# Altium PCB Slave.PcbDoc (part 8 of 12)
Units mm, origin at the board's own origin, x right, y up, seen from the top; angles counter-clockwise.
Board outline 380 x 63 mm, 4 copper layers (Top Copper, Signal Layer 1, Signal Layer 2, Bottom Copper), stack 1.586 mm thick; 265 components, 193 nets, 745 pads, 28205 vias.
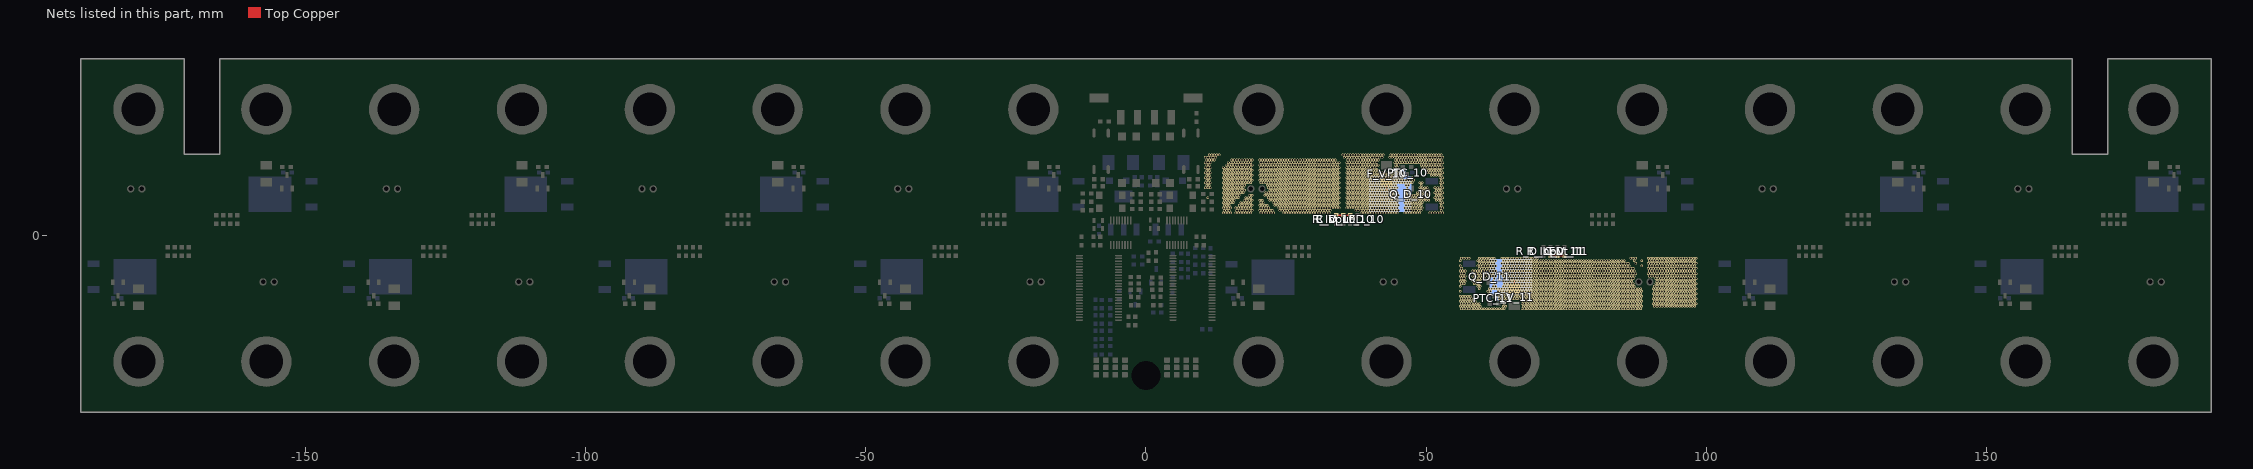
[diagram p10: the nets of this part, all layers, seen from the top]

## Via types
v1: diameter 0.45, hole 0.297, Top Copper to Bottom Copper, tented both sides, 27372 vias
v2: diameter 1, hole 0.7, Top Copper to Bottom Copper, 576 vias
v3: diameter 0.45, hole 0.2, Top Copper to Bottom Copper, 257 vias

## Nets (pads, with @x,y where several pads share a name; then routed paths per layer and width w, separated by ;. In a path a pad name is that pad's centre, name@x,y a point inside that pad or via, vN(x,y) a via of type N, cw(c..) or ccw(c..) an arc to the next point about the centre after c; other vN are vias at no path point) (continued)
F_10: C_V_10.2 F_V_10.2 PTC_10.2 Q_D_10.2 R_D_LED_10.2 R_Input_10.1 | length 3.9
  Top Copper w0.254: C_V_10.2@33.95,3.6 R_Input_10.1@35.2,3.6 R_D_LED_10.2@36.45,3.6
  Top Copper w0.305: v1@42.925,8.1 F_V_10.2@42.925,9.48
  other v1: 13.749,4 14.199,4 14.649,4 15.099,4 15.999,4 16.449,4 16.899,4 17.349,4 17.799,4 18.249,4 18.699,4 20.499,4 20.949,4 21.399,4 21.849,4 22.299,4 22.749,4 24.549,4 24.999,4 25.449,4 25.899,4 26.349,4 26.799,4 27.249,4 27.699,4 28.149,4 28.599,4 29.049,4 29.499,4 29.949,4 30.399,4 30.849,4 31.299,4 31.749,4 32.199,4 32.649,4 38.499,4 38.949,4 39.399,4 39.849,4 40.299,4 40.749,4 41.199,4 41.649,4 42.099,4 42.549,4 42.999,4 43.449,4 43.899,4 44.349,4 44.799,4 46.149,4 46.599,4 47.049,4 47.499,4 47.949,4 48.399,4 48.849,4 50.649,4 51.099,4 51.549,4 51.999,4 52.449,4 52.899,4 13.974,4.45 14.424,4.45 14.874,4.45 16.224,4.45 16.674,4.45 17.124,4.45 17.574,4.45 18.024,4.45 18.474,4.45 18.924,4.45 20.274,4.45 20.724,4.45 21.174,4.45 21.624,4.45 22.074,4.45 22.524,4.45 23.874,4.45 24.324,4.45 24.774,4.45 25.224,4.45 25.674,4.45 26.124,4.45 26.574,4.45 27.024,4.45 27.474,4.45 27.924,4.45 28.374,4.45 28.824,4.45 29.274,4.45 29.724,4.45 30.174,4.45 30.624,4.45 31.074,4.45 31.524,4.45 31.974,4.45 32.424,4.45 32.874,4.45 37.374,4.45 37.824,4.45 38.274,4.45 38.724,4.45 39.174,4.45 39.624,4.45 40.074,4.45 40.524,4.45 40.974,4.45 41.424,4.45 41.874,4.45 42.324,4.45 42.774,4.45 43.224,4.45 43.674,4.45 44.124,4.45 44.574,4.45 45.024,4.45 46.374,4.45 46.824,4.45 47.274,4.45 47.724,4.45 48.174,4.45 48.624,4.45 49.074,4.45 52.674,4.45 13.749,4.9 14.199,4.9 14.649,4.9 15.099,4.9 15.999,4.9 16.449,4.9 16.899,4.9 17.349,4.9 17.799,4.9 18.249,4.9 18.699,4.9 20.499,4.9 20.949,4.9 21.399,4.9 21.849,4.9 23.649,4.9 24.099,4.9 24.549,4.9 24.999,4.9 25.449,4.9 25.899,4.9 26.349,4.9 26.799,4.9 27.249,4.9 27.699,4.9 28.149,4.9 28.599,4.9 29.049,4.9 29.499,4.9 29.949,4.9 30.399,4.9 30.849,4.9 31.299,4.9 31.749,4.9 32.199,4.9 32.649,4.9 33.099,4.9 33.549,4.9 33.999,4.9 34.449,4.9 35.799,4.9 36.249,4.9 36.699,4.9 37.149,4.9 37.599,4.9 38.049,4.9 38.499,4.9 38.949,4.9 39.399,4.9 39.849,4.9 40.299,4.9 40.749,4.9 41.199,4.9 41.649,4.9 42.099,4.9 42.549,4.9 42.999,4.9 43.449,4.9 43.899,4.9 44.349,4.9 44.799,4.9 46.149,4.9 46.599,4.9 47.049,4.9 47.499,4.9 47.949,4.9 48.399,4.9 48.849,4.9 49.299,4.9 52.449,4.9 52.899,4.9 13.974,5.35 14.424,5.35 14.874,5.35 16.674,5.35 17.124,5.35 17.574,5.35 18.024,5.35 18.474,5.35 18.924,5.35 20.274,5.35 20.724,5.35 21.174,5.35 21.624,5.35 22.974,5.35 23.424,5.35 23.874,5.35 24.324,5.35 24.774,5.35 25.224,5.35 25.674,5.35 26.124,5.35 26.574,5.35 27.024,5.35 27.474,5.35 27.924,5.35 28.374,5.35 28.824,5.35 29.274,5.35 29.724,5.35 30.174,5.35 30.624,5.35 31.074,5.35 31.524,5.35 31.974,5.35 32.424,5.35 32.874,5.35 33.324,5.35 33.774,5.35 34.224,5.35 36.024,5.35 36.474,5.35 36.924,5.35 37.374,5.35 37.824,5.35 38.274,5.35 38.724,5.35 39.174,5.35 39.624,5.35 40.074,5.35 40.524,5.35 40.974,5.35 41.424,5.35 41.874,5.35 42.324,5.35 42.774,5.35 43.224,5.35 43.674,5.35 44.124,5.35 44.574,5.35 45.024,5.35 46.374,5.35 46.824,5.35 47.274,5.35 47.724,5.35 48.174,5.35 48.624,5.35 49.074,5.35 52.674,5.35 13.749,5.8 14.199,5.8 14.649,5.8 15.099,5.8 15.549,5.8 16.899,5.8 17.349,5.8 17.799,5.8 18.249,5.8 18.699,5.8 20.499,5.8 20.949,5.8 22.749,5.8 23.199,5.8 23.649,5.8 24.099,5.8 24.549,5.8 24.999,5.8 25.449,5.8 25.899,5.8 26.349,5.8 26.799,5.8 27.249,5.8 27.699,5.8 28.149,5.8 28.599,5.8 29.049,5.8 29.499,5.8 29.949,5.8 30.399,5.8 30.849,5.8 31.299,5.8 31.749,5.8 32.199,5.8 32.649,5.8 33.099,5.8 33.549,5.8 33.999,5.8 34.449,5.8 35.799,5.8 36.249,5.8 36.699,5.8 37.149,5.8 37.599,5.8 38.049,5.8 38.499,5.8 38.949,5.8 39.399,5.8 39.849,5.8 40.299,5.8 40.749,5.8 41.199,5.8 41.649,5.8 42.099,5.8 42.549,5.8 42.999,5.8 43.449,5.8 43.899,5.8 44.349,5.8 44.799,5.8 46.149,5.8 46.599,5.8 47.049,5.8 47.499,5.8 47.949,5.8 48.399,5.8 48.849,5.8 49.299,5.8 52.449,5.8 52.899,5.8 13.974,6.25 14.424,6.25 14.874,6.25 15.324,6.25 15.774,6.25 17.574,6.25 18.024,6.25 18.474,6.25 18.924,6.25 20.274,6.25 20.724,6.25 22.074,6.25 22.524,6.25 22.974,6.25 23.424,6.25 23.874,6.25 24.324,6.25 24.774,6.25 25.224,6.25 25.674,6.25 26.124,6.25 26.574,6.25 27.024,6.25 27.474,6.25 27.924,6.25 28.374,6.25 28.824,6.25 29.274,6.25 29.724,6.25 30.174,6.25 30.624,6.25 31.074,6.25 31.524,6.25 31.974,6.25 32.424,6.25 32.874,6.25 33.324,6.25 33.774,6.25 34.224,6.25 36.024,6.25 36.474,6.25 36.924,6.25 37.374,6.25 37.824,6.25 38.274,6.25 38.724,6.25 39.174,6.25 39.624,6.25 40.074,6.25 40.524,6.25 40.974,6.25 41.424,6.25 41.874,6.25 42.324,6.25 42.774,6.25 43.224,6.25 43.674,6.25 44.124,6.25 44.574,6.25 45.024,6.25 46.374,6.25 46.824,6.25 47.274,6.25 47.724,6.25 48.174,6.25 48.624,6.25 49.074,6.25 49.524,6.25 49.974,6.25 50.424,6.25 51.774,6.25 52.224,6.25 52.674,6.25 11.049,6.7 13.749,6.7 14.199,6.7 14.649,6.7 15.099,6.7 15.549,6.7 15.999,6.7 16.449,6.7 17.799,6.7 18.249,6.7 18.699,6.7 21.849,6.7 22.299,6.7 22.749,6.7 23.199,6.7 23.649,6.7 24.099,6.7 24.549,6.7 24.999,6.7 25.449,6.7 25.899,6.7 26.349,6.7 26.799,6.7 27.249,6.7 27.699,6.7 28.149,6.7 28.599,6.7 29.049,6.7 29.499,6.7 29.949,6.7 30.399,6.7 30.849,6.7 31.299,6.7 31.749,6.7 32.199,6.7 32.649,6.7 33.099,6.7 33.549,6.7 33.999,6.7 34.449,6.7 35.799,6.7 36.249,6.7 36.699,6.7 37.149,6.7 37.599,6.7 38.049,6.7 38.499,6.7 38.949,6.7 39.399,6.7 39.849,6.7 40.299,6.7 40.749,6.7 41.199,6.7 41.649,6.7 42.099,6.7 42.549,6.7 42.999,6.7 43.449,6.7 43.899,6.7 44.349,6.7 44.799,6.7 46.149,6.7 46.599,6.7 47.049,6.7 47.499,6.7 47.949,6.7 48.399,6.7 48.849,6.7 49.299,6.7 49.749,6.7 50.199,6.7 51.549,6.7 51.999,6.7 52.449,6.7 52.899,6.7 13.974,7.15 14.424,7.15 14.874,7.15 15.324,7.15 15.774,7.15 16.224,7.15 16.674,7.15 18.474,7.15 18.924,7.15 21.174,7.15 21.624,7.15 22.074,7.15 22.524,7.15 22.974,7.15 23.424,7.15 23.874,7.15 24.324,7.15 24.774,7.15 25.224,7.15 25.674,7.15 26.124,7.15 26.574,7.15 27.024,7.15 27.474,7.15 27.924,7.15 28.374,7.15 28.824,7.15 29.274,7.15 29.724,7.15 30.174,7.15 30.624,7.15 31.074,7.15 31.524,7.15 31.974,7.15 32.424,7.15 32.874,7.15 33.324,7.15 33.774,7.15 34.224,7.15 36.024,7.15 36.474,7.15 36.924,7.15 37.374,7.15 37.824,7.15 38.274,7.15 38.724,7.15 39.174,7.15 39.624,7.15 40.074,7.15 40.524,7.15 40.974,7.15 41.424,7.15 41.874,7.15 42.324,7.15 42.774,7.15 43.224,7.15 43.674,7.15 44.124,7.15 44.574,7.15 45.024,7.15 46.374,7.15 46.824,7.15 47.274,7.15 47.724,7.15 48.174,7.15 48.624,7.15 49.074,7.15 49.524,7.15 49.974,7.15 50.424,7.15 51.774,7.15 52.224,7.15 52.674,7.15 13.749,7.6 14.199,7.6 14.649,7.6 15.099,7.6 15.549,7.6 15.999,7.6 16.449,7.6 16.899,7.6 17.349,7.6 21.399,7.6 21.849,7.6 22.299,7.6 22.749,7.6 23.199,7.6 23.649,7.6 24.099,7.6 24.549,7.6 24.999,7.6 25.449,7.6 25.899,7.6 26.349,7.6 26.799,7.6 27.249,7.6 27.699,7.6 28.149,7.6 28.599,7.6 29.049,7.6 29.499,7.6 29.949,7.6 30.399,7.6 30.849,7.6 31.299,7.6 31.749,7.6 32.199,7.6 32.649,7.6 33.099,7.6 33.549,7.6 33.999,7.6 34.449,7.6 35.799,7.6 36.249,7.6 36.699,7.6 37.149,7.6 37.599,7.6 38.049,7.6 38.499,7.6 38.949,7.6 39.399,7.6 39.849,7.6 40.299,7.6 40.749,7.6 41.199,7.6 41.649,7.6 42.099,7.6 42.549,7.6 42.999,7.6 43.449,7.6 43.899,7.6 44.349,7.6 44.799,7.6 46.599,7.6 48.399,7.6 48.849,7.6 49.299,7.6 49.749,7.6 50.199,7.6 51.549,7.6 51.999,7.6 52.449,7.6 52.899,7.6 13.974,8.05 14.424,8.05 14.874,8.05 15.324,8.05 15.774,8.05 16.224,8.05 16.674,8.05 17.124,8.05 17.574,8.05 22.074,8.05 22.524,8.05 22.974,8.05 23.424,8.05 23.874,8.05 24.324,8.05 24.774,8.05 25.224,8.05 25.674,8.05 26.124,8.05 26.574,8.05 27.024,8.05 27.474,8.05 27.924,8.05 28.374,8.05 28.824,8.05 29.274,8.05 29.724,8.05 30.174,8.05 30.624,8.05 31.074,8.05 31.524,8.05 31.974,8.05 32.424,8.05 32.874,8.05 33.324,8.05 33.774,8.05 34.224,8.05 36.024,8.05 36.474,8.05 36.924,8.05 37.374,8.05 37.824,8.05 38.274,8.05 38.724,8.05 39.174,8.05 39.624,8.05 40.074,8.05 40.524,8.05 40.974,8.05 41.424,8.05 41.874,8.05 42.324,8.05 42.774,8.05 43.224,8.05 43.674,8.05 44.124,8.05 44.574,8.05 46.374,8.05 46.824,8.05 49.074,8.05 49.524,8.05 49.974,8.05 50.424,8.05 51.774,8.05 52.224,8.05 52.674,8.05 10.599,8.5 11.049,8.5 11.499,8.5 13.749,8.5 14.199,8.5 14.649,8.5 15.099,8.5 15.549,8.5 15.999,8.5 16.449,8.5 16.899,8.5 17.349,8.5 21.849,8.5 22.299,8.5 22.749,8.5 23.199,8.5 23.649,8.5 24.099,8.5 24.549,8.5 24.999,8.5 25.449,8.5 25.899,8.5 26.349,8.5 26.799,8.5 27.249,8.5 27.699,8.5 28.149,8.5 28.599,8.5 29.049,8.5 29.499,8.5 29.949,8.5 30.399,8.5 30.849,8.5 31.299,8.5 31.749,8.5 32.199,8.5 32.649,8.5 33.099,8.5 33.549,8.5 33.999,8.5 34.449,8.5 35.799,8.5 36.249,8.5 36.699,8.5 37.149,8.5 37.599,8.5 38.049,8.5 38.499,8.5 38.949,8.5 39.399,8.5 39.849,8.5 40.299,8.5 40.749,8.5 41.199,8.5 41.649,8.5 42.099,8.5 42.549,8.5 42.999,8.5 43.449,8.5 43.899,8.5 44.349,8.5 44.799,8.5 46.599,8.5 48.849,8.5 49.299,8.5 49.749,8.5 50.199,8.5 51.549,8.5 51.999,8.5 52.449,8.5 52.899,8.5 10.824,8.95 11.274,8.95 13.974,8.95 14.424,8.95 14.874,8.95 15.324,8.95 15.774,8.95 16.224,8.95 16.674,8.95 17.124,8.95 17.574,8.95 21.624,8.95 22.074,8.95 22.524,8.95 22.974,8.95 23.424,8.95 23.874,8.95 24.324,8.95 24.774,8.95 25.224,8.95 25.674,8.95 26.124,8.95 26.574,8.95 27.024,8.95 27.474,8.95 27.924,8.95 28.374,8.95 28.824,8.95 29.274,8.95 29.724,8.95 30.174,8.95 30.624,8.95 31.074,8.95 31.524,8.95 31.974,8.95 32.424,8.95 32.874,8.95 33.324,8.95 33.774,8.95 34.224,8.95 36.024,8.95 36.474,8.95 36.924,8.95 37.374,8.95 37.824,8.95 38.274,8.95 38.724,8.95 39.174,8.95 39.624,8.95 40.074,8.95 40.524,8.95 40.974,8.95 41.424,8.95 41.874,8.95 42.324,8.95 42.774,8.95 43.224,8.95 43.674,8.95 44.124,8.95 44.574,8.95 46.374,8.95 46.824,8.95 49.074,8.95 52.674,8.95 10.599,9.4 11.049,9.4 11.499,9.4 13.749,9.4 14.199,9.4 14.649,9.4 15.099,9.4 15.549,9.4 15.999,9.4 16.449,9.4 16.899,9.4 17.349,9.4 17.799,9.4 18.249,9.4 18.699,9.4 20.499,9.4 20.949,9.4 21.399,9.4 21.849,9.4 22.299,9.4 22.749,9.4 23.199,9.4 23.649,9.4 24.099,9.4 24.549,9.4 24.999,9.4 25.449,9.4 25.899,9.4 26.349,9.4 26.799,9.4 27.249,9.4 27.699,9.4 28.149,9.4 28.599,9.4 29.049,9.4 29.499,9.4 29.949,9.4 30.399,9.4 30.849,9.4 31.299,9.4 31.749,9.4 32.199,9.4 32.649,9.4 33.099,9.4 33.549,9.4 33.999,9.4 34.449,9.4 35.799,9.4 36.249,9.4 36.699,9.4 37.149,9.4 37.599,9.4 38.049,9.4 38.499,9.4 38.949,9.4 39.399,9.4 39.849,9.4 40.299,9.4 40.749,9.4 41.199,9.4 41.649,9.4 42.099,9.4 42.549,9.4 42.999,9.4 43.449,9.4 43.899,9.4 44.349,9.4 44.799,9.4 45.249,9.4 45.699,9.4 46.149,9.4 46.599,9.4 47.049,9.4 47.499,9.4 48.849,9.4 49.299,9.4 52.449,9.4 52.899,9.4 10.824,9.85 11.274,9.85 13.974,9.85 14.424,9.85 14.874,9.85 15.324,9.85 15.774,9.85 16.224,9.85 16.674,9.85 17.124,9.85 17.574,9.85 18.024,9.85 18.474,9.85 18.924,9.85 20.274,9.85 20.724,9.85 21.174,9.85 21.624,9.85 22.074,9.85 22.524,9.85 22.974,9.85 23.424,9.85 23.874,9.85 24.324,9.85 24.774,9.85 25.224,9.85 25.674,9.85 26.124,9.85 26.574,9.85 27.024,9.85 27.474,9.85 27.924,9.85 28.374,9.85 28.824,9.85 29.274,9.85 29.724,9.85 30.174,9.85 30.624,9.85 31.074,9.85 31.524,9.85 31.974,9.85 32.424,9.85 32.874,9.85 33.324,9.85 33.774,9.85 34.224,9.85 36.024,9.85 36.474,9.85 36.924,9.85 37.374,9.85 37.824,9.85 38.274,9.85 38.724,9.85 39.174,9.85 39.624,9.85 40.074,9.85 40.524,9.85 40.974,9.85 41.424,9.85 41.874,9.85 42.324,9.85 42.774,9.85 43.224,9.85 43.674,9.85 44.124,9.85 44.574,9.85 45.024,9.85 45.474,9.85 45.924,9.85 46.374,9.85 46.824,9.85 47.274,9.85 47.724,9.85 52.674,9.85 10.599,10.3 11.049,10.3 11.499,10.3 13.749,10.3 14.199,10.3 14.649,10.3 15.099,10.3 15.549,10.3 15.999,10.3 16.449,10.3 16.899,10.3 17.349,10.3 17.799,10.3 18.249,10.3 18.699,10.3 20.499,10.3 20.949,10.3 21.399,10.3 21.849,10.3 22.299,10.3 22.749,10.3 23.199,10.3 23.649,10.3 24.099,10.3 24.549,10.3 24.999,10.3 25.449,10.3 25.899,10.3 26.349,10.3 26.799,10.3 27.249,10.3 27.699,10.3 28.149,10.3 28.599,10.3 29.049,10.3 29.499,10.3 29.949,10.3 30.399,10.3 30.849,10.3 31.299,10.3 31.749,10.3 32.199,10.3 32.649,10.3 33.099,10.3 33.549,10.3 33.999,10.3 34.449,10.3 35.799,10.3 36.249,10.3 36.699,10.3 37.149,10.3 37.599,10.3 38.049,10.3 38.499,10.3 38.949,10.3 39.399,10.3 39.849,10.3 40.299,10.3 40.749,10.3 41.199,10.3 41.649,10.3 42.099,10.3 42.549,10.3 42.999,10.3 43.449,10.3 43.899,10.3 44.349,10.3 44.799,10.3 45.249,10.3 45.699,10.3 47.499,10.3 52.449,10.3 52.899,10.3 10.824,10.75 11.274,10.75 13.974,10.75 14.424,10.75 14.874,10.75 15.324,10.75 15.774,10.75 16.224,10.75 16.674,10.75 17.124,10.75 17.574,10.75 18.024,10.75 18.474,10.75 18.924,10.75 20.274,10.75 20.724,10.75 21.174,10.75 21.624,10.75 22.074,10.75 22.524,10.75 22.974,10.75 23.424,10.75 23.874,10.75 24.324,10.75 24.774,10.75 25.224,10.75 25.674,10.75 26.124,10.75 26.574,10.75 27.024,10.75 27.474,10.75 27.924,10.75 28.374,10.75 28.824,10.75 29.274,10.75 29.724,10.75 30.174,10.75 30.624,10.75 31.074,10.75 31.524,10.75 31.974,10.75 32.424,10.75 32.874,10.75 33.324,10.75 33.774,10.75 34.224,10.75 36.024,10.75 36.474,10.75 36.924,10.75 37.374,10.75 37.824,10.75 38.274,10.75 38.724,10.75 39.174,10.75 39.624,10.75 40.074,10.75 40.524,10.75 40.974,10.75 41.424,10.75 41.874,10.75 42.324,10.75 42.774,10.75 43.224,10.75 43.674,10.75 44.124,10.75 44.574,10.75 45.024,10.75 45.474,10.75 45.924,10.75 50.874,10.75 51.324,10.75 51.774,10.75 52.224,10.75 52.674,10.75 10.599,11.2 11.049,11.2 11.499,11.2 13.749,11.2 14.199,11.2 14.649,11.2 15.099,11.2 15.549,11.2 15.999,11.2 16.449,11.2 16.899,11.2 17.349,11.2 17.799,11.2 18.249,11.2 18.699,11.2 20.499,11.2 20.949,11.2 21.399,11.2 21.849,11.2 22.299,11.2 22.749,11.2 23.199,11.2 23.649,11.2 24.099,11.2 24.549,11.2 24.999,11.2 25.449,11.2 25.899,11.2 26.349,11.2 26.799,11.2 27.249,11.2 27.699,11.2 28.149,11.2 28.599,11.2 29.049,11.2 29.499,11.2 29.949,11.2 30.399,11.2 30.849,11.2 31.299,11.2 31.749,11.2 32.199,11.2 32.649,11.2 33.099,11.2 33.549,11.2 33.999,11.2 34.449,11.2 35.799,11.2 36.249,11.2 36.699,11.2 37.149,11.2 37.599,11.2 38.049,11.2 38.499,11.2 38.949,11.2 39.399,11.2 39.849,11.2 40.299,11.2 40.749,11.2 41.199,11.2 41.649,11.2 42.099,11.2 42.549,11.2 42.999,11.2 43.449,11.2 43.899,11.2 44.349,11.2 44.799,11.2 45.249,11.2 45.699,11.2 50.199,11.2 50.649,11.2 51.099,11.2 51.549,11.2 51.999,11.2 52.449,11.2 52.899,11.2 10.824,11.65 11.274,11.65 13.974,11.65 14.424,11.65 14.874,11.65 15.324,11.65 15.774,11.65 16.224,11.65 16.674,11.65 17.124,11.65 17.574,11.65 18.024,11.65 18.474,11.65 18.924,11.65 20.274,11.65 20.724,11.65 21.174,11.65 21.624,11.65 22.074,11.65 22.524,11.65 22.974,11.65 23.424,11.65 23.874,11.65 24.324,11.65 24.774,11.65 25.224,11.65 25.674,11.65 26.124,11.65 26.574,11.65 27.024,11.65 27.474,11.65 27.924,11.65 28.374,11.65 28.824,11.65 29.274,11.65 29.724,11.65 30.174,11.65 30.624,11.65 31.074,11.65 31.524,11.65 31.974,11.65 32.424,11.65 32.874,11.65 33.324,11.65 33.774,11.65 34.224,11.65 36.024,11.65 36.474,11.65 36.924,11.65 37.374,11.65 37.824,11.65 38.274,11.65 38.724,11.65 39.174,11.65 39.624,11.65 40.074,11.65 40.524,11.65 40.974,11.65 41.424,11.65 44.574,11.65 45.024,11.65 49.974,11.65 50.424,11.65 50.874,11.65 51.324,11.65 51.774,11.65 52.224,11.65 52.674,11.65 10.599,12.1 11.049,12.1 11.499,12.1 13.749,12.1 14.199,12.1 14.649,12.1 15.099,12.1 15.549,12.1 15.999,12.1 16.449,12.1 16.899,12.1 17.349,12.1 17.799,12.1 18.249,12.1 18.699,12.1 20.499,12.1 20.949,12.1 21.399,12.1 21.849,12.1 22.299,12.1 22.749,12.1 23.199,12.1 23.649,12.1 24.099,12.1 24.549,12.1 24.999,12.1 25.449,12.1 25.899,12.1 26.349,12.1 26.799,12.1 27.249,12.1 27.699,12.1 28.149,12.1 28.599,12.1 29.049,12.1 29.499,12.1 29.949,12.1 30.399,12.1 30.849,12.1 31.299,12.1 31.749,12.1 32.199,12.1 32.649,12.1 33.099,12.1 33.549,12.1 33.999,12.1 34.449,12.1 35.799,12.1 36.249,12.1 36.699,12.1 37.149,12.1 37.599,12.1 38.049,12.1 38.499,12.1 38.949,12.1 39.399,12.1 39.849,12.1 40.299,12.1 40.749,12.1 41.199,12.1 44.349,12.1 44.799,12.1 49.299,12.1 49.749,12.1 50.199,12.1 50.649,12.1 51.099,12.1 51.549,12.1 51.999,12.1 52.449,12.1 52.899,12.1 10.824,12.55 11.274,12.55 14.424,12.55 14.874,12.55 15.324,12.55 15.774,12.55 16.224,12.55 16.674,12.55 17.124,12.55 17.574,12.55 18.024,12.55 18.474,12.55 18.924,12.55 20.274,12.55 20.724,12.55 21.174,12.55 21.624,12.55 22.074,12.55 22.524,12.55 22.974,12.55 23.424,12.55 23.874,12.55 24.324,12.55 24.774,12.55 25.224,12.55 25.674,12.55 26.124,12.55 26.574,12.55 27.024,12.55 27.474,12.55 27.924,12.55 28.374,12.55 28.824,12.55 29.274,12.55 29.724,12.55 30.174,12.55 30.624,12.55 31.074,12.55 31.524,12.55 31.974,12.55 32.424,12.55 32.874,12.55 33.324,12.55 33.774,12.55 34.224,12.55 36.024,12.55 36.474,12.55 36.924,12.55 37.374,12.55 37.824,12.55 38.274,12.55 38.724,12.55 39.174,12.55 39.624,12.55 40.074,12.55 40.524,12.55 40.974,12.55 41.424,12.55 44.574,12.55 45.024,12.55 49.074,12.55 49.524,12.55 49.974,12.55 50.424,12.55 50.874,12.55 51.324,12.55 51.774,12.55 52.224,12.55 52.674,12.55 10.599,13 11.049,13 11.499,13 14.649,13 15.099,13 15.549,13 15.999,13 16.449,13 16.899,13 17.349,13 17.799,13 18.249,13 18.699,13 20.499,13 20.949,13 21.399,13 21.849,13 22.299,13 22.749,13 23.199,13 23.649,13 24.099,13 24.549,13 24.999,13 25.449,13 25.899,13 26.349,13 26.799,13 27.249,13 27.699,13 28.149,13 28.599,13 29.049,13 29.499,13 29.949,13 30.399,13 30.849,13 31.299,13 31.749,13 32.199,13 32.649,13 33.099,13 33.549,13 33.999,13 34.449,13 35.799,13 36.249,13 36.699,13 37.149,13 37.599,13 38.049,13 38.499,13 38.949,13 39.399,13 39.849,13 40.299,13 40.749,13 41.199,13 44.349,13 44.799,13 45.249,13 45.699,13 46.149,13 46.599,13 47.049,13 47.499,13 47.949,13 48.399,13 48.849,13 49.299,13 49.749,13 50.199,13 50.649,13 51.099,13 51.549,13 51.999,13 52.449,13 52.899,13 10.824,13.45 11.274,13.45 11.724,13.45 12.174,13.45 15.324,13.45 15.774,13.45 16.224,13.45 16.674,13.45 17.124,13.45 17.574,13.45 18.024,13.45 18.474,13.45 18.924,13.45 20.274,13.45 20.724,13.45 21.174,13.45 21.624,13.45 22.074,13.45 22.524,13.45 22.974,13.45 23.424,13.45 23.874,13.45 24.324,13.45 24.774,13.45 25.224,13.45 25.674,13.45 26.124,13.45 26.574,13.45 27.024,13.45 27.474,13.45 27.924,13.45 28.374,13.45 28.824,13.45 29.274,13.45 29.724,13.45 30.174,13.45 30.624,13.45 31.074,13.45 31.524,13.45 31.974,13.45 32.424,13.45 32.874,13.45 33.324,13.45 33.774,13.45 36.024,13.45 36.474,13.45 36.924,13.45 37.374,13.45 37.824,13.45 38.274,13.45 38.724,13.45 39.174,13.45 39.624,13.45 40.074,13.45 40.524,13.45 40.974,13.45 41.424,13.45 44.574,13.45 45.024,13.45 45.474,13.45 45.924,13.45 46.374,13.45 46.824,13.45 47.274,13.45 47.724,13.45 48.174,13.45 48.624,13.45 49.074,13.45 49.524,13.45 49.974,13.45 50.424,13.45 50.874,13.45 51.324,13.45 51.774,13.45 52.224,13.45 52.674,13.45 10.599,13.9 11.049,13.9 11.499,13.9 11.949,13.9 12.399,13.9 35.349,13.9 35.799,13.9 36.249,13.9 36.699,13.9 37.149,13.9 37.599,13.9 38.049,13.9 38.499,13.9 38.949,13.9 39.399,13.9 39.849,13.9 40.299,13.9 40.749,13.9 41.199,13.9 41.649,13.9 42.099,13.9 43.449,13.9 43.899,13.9 44.349,13.9 44.799,13.9 45.249,13.9 45.699,13.9 46.149,13.9 46.599,13.9 47.049,13.9 47.499,13.9 47.949,13.9 48.399,13.9 48.849,13.9 49.299,13.9 49.749,13.9 50.199,13.9 50.649,13.9 51.099,13.9 51.549,13.9 51.999,13.9 52.449,13.9 52.899,13.9 11.274,14.35 11.724,14.35 12.174,14.35 12.624,14.35 13.074,14.35 35.124,14.35 35.574,14.35 36.024,14.35 36.474,14.35 36.924,14.35 37.374,14.35 37.824,14.35 38.274,14.35 38.724,14.35 39.174,14.35 39.624,14.35 40.074,14.35 40.524,14.35 40.974,14.35 41.424,14.35 41.874,14.35 42.324,14.35 43.674,14.35 44.124,14.35 44.574,14.35 45.024,14.35 45.474,14.35 45.924,14.35 46.374,14.35 46.824,14.35 47.274,14.35 47.724,14.35 48.174,14.35 48.624,14.35 49.074,14.35 49.524,14.35 49.974,14.35 50.424,14.35 50.874,14.35 51.324,14.35 51.774,14.35 52.224,14.35 52.674,14.35
F_11: C_V_11.2 F_V_11.2 PTC_11.2 Q_D_11.2 R_D_LED_11.2 R_Input_11.1 | length 3.9
  Top Copper w0.254: R_D_LED_11.2@72.15,-3.6 R_Input_11.1@73.4,-3.6 C_V_11.2@74.65,-3.6
  Top Copper w0.305: F_V_11.2@65.675,-9.48 v1@65.675,-8.1
  other v1: 56.274,-13.1 56.724,-13.1 57.174,-13.1 57.624,-13.1 58.074,-13.1 58.524,-13.1 58.974,-13.1 59.424,-13.1 59.874,-13.1 60.324,-13.1 60.774,-13.1 61.224,-13.1 61.674,-13.1 62.124,-13.1 62.574,-13.1 63.024,-13.1 63.474,-13.1 63.924,-13.1 67.074,-13.1 67.524,-13.1 67.974,-13.1 68.424,-13.1 68.874,-13.1 69.324,-13.1 69.774,-13.1 70.224,-13.1 70.674,-13.1 71.124,-13.1 71.574,-13.1 72.024,-13.1 72.474,-13.1 72.924,-13.1 73.374,-13.1 73.824,-13.1 74.274,-13.1 74.724,-13.1 75.174,-13.1 75.624,-13.1 76.074,-13.1 76.524,-13.1 76.974,-13.1 77.424,-13.1 77.874,-13.1 78.324,-13.1 78.774,-13.1 79.224,-13.1 79.674,-13.1 80.124,-13.1 80.574,-13.1 81.024,-13.1 81.474,-13.1 81.924,-13.1 82.374,-13.1 82.824,-13.1 83.274,-13.1 83.724,-13.1 84.174,-13.1 84.624,-13.1 85.074,-13.1 85.524,-13.1 85.974,-13.1 86.424,-13.1 86.874,-13.1 87.324,-13.1 87.774,-13.1 88.224,-13.1 56.049,-12.65 56.499,-12.65 56.949,-12.65 57.399,-12.65 57.849,-12.65 58.299,-12.65 58.749,-12.65 59.199,-12.65 59.649,-12.65 63.699,-12.65 64.149,-12.65 67.299,-12.65 67.749,-12.65 68.199,-12.65 68.649,-12.65 69.099,-12.65 69.549,-12.65 69.999,-12.65 70.449,-12.65 70.899,-12.65 71.349,-12.65 71.799,-12.65 72.249,-12.65 72.699,-12.65 73.149,-12.65 73.599,-12.65 74.049,-12.65 74.499,-12.65 74.949,-12.65 75.399,-12.65 75.849,-12.65 76.299,-12.65 76.749,-12.65 77.199,-12.65 77.649,-12.65 78.099,-12.65 78.549,-12.65 78.999,-12.65 79.449,-12.65 79.899,-12.65 80.349,-12.65 80.799,-12.65 81.249,-12.65 81.699,-12.65 82.149,-12.65 82.599,-12.65 83.049,-12.65 83.499,-12.65 83.949,-12.65 84.399,-12.65 84.849,-12.65 85.299,-12.65 85.749,-12.65 86.199,-12.65 86.649,-12.65 87.099,-12.65 87.549,-12.65 87.999,-12.65 88.449,-12.65 90.699,-12.65 91.149,-12.65 91.599,-12.65 92.049,-12.65 92.499,-12.65 92.949,-12.65 93.399,-12.65 93.849,-12.65 94.299,-12.65 94.749,-12.65 95.199,-12.65 95.649,-12.65 96.099,-12.65 96.549,-12.65 96.999,-12.65 97.449,-12.65 97.899,-12.65 56.274,-12.2 56.724,-12.2 57.174,-12.2 57.624,-12.2 58.074,-12.2 58.524,-12.2 58.974,-12.2 59.424,-12.2 63.924,-12.2 67.074,-12.2 67.524,-12.2 67.974,-12.2 68.424,-12.2 68.874,-12.2 69.324,-12.2 69.774,-12.2 70.224,-12.2 70.674,-12.2 71.124,-12.2 71.574,-12.2 72.024,-12.2 72.474,-12.2 72.924,-12.2 73.374,-12.2 73.824,-12.2 74.274,-12.2 74.724,-12.2 75.174,-12.2 75.624,-12.2 76.074,-12.2 76.524,-12.2 76.974,-12.2 77.424,-12.2 77.874,-12.2 78.324,-12.2 78.774,-12.2 79.224,-12.2 79.674,-12.2 80.124,-12.2 80.574,-12.2 81.024,-12.2 81.474,-12.2 81.924,-12.2 82.374,-12.2 82.824,-12.2 83.274,-12.2 83.724,-12.2 84.174,-12.2 84.624,-12.2 85.074,-12.2 85.524,-12.2 85.974,-12.2 86.424,-12.2 86.874,-12.2 87.324,-12.2 87.774,-12.2 88.224,-12.2 90.474,-12.2 90.924,-12.2 91.374,-12.2 91.824,-12.2 92.274,-12.2 92.724,-12.2 93.174,-12.2 93.624,-12.2 94.074,-12.2 94.524,-12.2 94.974,-12.2 95.424,-12.2 95.874,-12.2 96.324,-12.2 96.774,-12.2 97.224,-12.2 97.674,-12.2 98.124,-12.2 56.049,-11.75 56.499,-11.75 56.949,-11.75 57.399,-11.75 57.849,-11.75 58.299,-11.75 58.749,-11.75 63.699,-11.75 64.149,-11.75 67.299,-11.75 67.749,-11.75 68.199,-11.75 68.649,-11.75 69.099,-11.75 69.549,-11.75 69.999,-11.75 70.449,-11.75 70.899,-11.75 71.349,-11.75 71.799,-11.75 72.249,-11.75 72.699,-11.75 73.149,-11.75 73.599,-11.75 74.049,-11.75 74.499,-11.75 74.949,-11.75 75.399,-11.75 75.849,-11.75 76.299,-11.75 76.749,-11.75 77.199,-11.75 77.649,-11.75 78.099,-11.75 78.549,-11.75 78.999,-11.75 79.449,-11.75 79.899,-11.75 80.349,-11.75 80.799,-11.75 81.249,-11.75 81.699,-11.75 82.149,-11.75 82.599,-11.75 83.049,-11.75 83.499,-11.75 83.949,-11.75 84.399,-11.75 84.849,-11.75 85.299,-11.75 85.749,-11.75 86.199,-11.75 86.649,-11.75 87.099,-11.75 87.549,-11.75 87.999,-11.75 88.449,-11.75 90.699,-11.75 91.149,-11.75 91.599,-11.75 92.049,-11.75 92.499,-11.75 92.949,-11.75 93.399,-11.75 93.849,-11.75 94.299,-11.75 94.749,-11.75 95.199,-11.75 95.649,-11.75 96.099,-11.75 96.549,-11.75 96.999,-11.75 97.449,-11.75 97.899,-11.75 56.274,-11.3 56.724,-11.3 57.174,-11.3 57.624,-11.3 58.074,-11.3 58.524,-11.3 63.024,-11.3 63.474,-11.3 63.924,-11.3 64.374,-11.3 64.824,-11.3 65.274,-11.3 65.724,-11.3 66.174,-11.3 66.624,-11.3 67.074,-11.3 67.524,-11.3 67.974,-11.3 68.424,-11.3 68.874,-11.3 69.324,-11.3 69.774,-11.3 70.224,-11.3 70.674,-11.3 71.124,-11.3 71.574,-11.3 72.024,-11.3 72.474,-11.3 72.924,-11.3 73.374,-11.3 73.824,-11.3 74.274,-11.3 74.724,-11.3 75.174,-11.3 75.624,-11.3 76.074,-11.3 76.524,-11.3 76.974,-11.3 77.424,-11.3 77.874,-11.3 78.324,-11.3 78.774,-11.3 79.224,-11.3 79.674,-11.3 80.124,-11.3 80.574,-11.3 81.024,-11.3 81.474,-11.3 81.924,-11.3 82.374,-11.3 82.824,-11.3 83.274,-11.3 83.724,-11.3 84.174,-11.3 84.624,-11.3 85.074,-11.3 85.524,-11.3 85.974,-11.3 86.424,-11.3 86.874,-11.3 87.324,-11.3 87.774,-11.3 88.224,-11.3 90.474,-11.3 90.924,-11.3 91.374,-11.3 91.824,-11.3 92.274,-11.3 92.724,-11.3 93.174,-11.3 93.624,-11.3 94.074,-11.3 94.524,-11.3 94.974,-11.3 95.424,-11.3 95.874,-11.3 96.324,-11.3 96.774,-11.3 97.224,-11.3 97.674,-11.3 98.124,-11.3 56.049,-10.85 56.499,-10.85 56.949,-10.85 57.399,-10.85 57.849,-10.85 62.799,-10.85 63.249,-10.85 63.699,-10.85 64.149,-10.85 64.599,-10.85 65.049,-10.85 65.499,-10.85 65.949,-10.85 66.399,-10.85 66.849,-10.85 67.299,-10.85 67.749,-10.85 68.199,-10.85 68.649,-10.85 69.099,-10.85 69.549,-10.85 69.999,-10.85 70.449,-10.85 70.899,-10.85 71.349,-10.85 71.799,-10.85 72.249,-10.85 72.699,-10.85 73.149,-10.85 73.599,-10.85 74.049,-10.85 74.499,-10.85 74.949,-10.85 75.399,-10.85 75.849,-10.85 76.299,-10.85 76.749,-10.85 77.199,-10.85 77.649,-10.85 78.099,-10.85 78.549,-10.85 78.999,-10.85 79.449,-10.85 79.899,-10.85 80.349,-10.85 80.799,-10.85 81.249,-10.85 81.699,-10.85 82.149,-10.85 82.599,-10.85 83.049,-10.85 83.499,-10.85 83.949,-10.85 84.399,-10.85 84.849,-10.85 85.299,-10.85 85.749,-10.85 86.199,-10.85 86.649,-10.85 87.099,-10.85 87.549,-10.85 87.999,-10.85 88.449,-10.85 90.699,-10.85 91.149,-10.85 91.599,-10.85 92.049,-10.85 92.499,-10.85 92.949,-10.85 93.399,-10.85 93.849,-10.85 94.299,-10.85 94.749,-10.85 95.199,-10.85 95.649,-10.85 96.099,-10.85 96.549,-10.85 96.999,-10.85 97.449,-10.85 97.899,-10.85 61.224,-10.4 63.024,-10.4 63.474,-10.4 63.924,-10.4 64.374,-10.4 64.824,-10.4 65.274,-10.4 65.724,-10.4 66.174,-10.4 66.624,-10.4 67.074,-10.4 67.524,-10.4 67.974,-10.4 68.424,-10.4 68.874,-10.4 69.324,-10.4 69.774,-10.4 70.224,-10.4 70.674,-10.4 71.124,-10.4 71.574,-10.4 72.024,-10.4 72.474,-10.4 72.924,-10.4 73.374,-10.4 73.824,-10.4 74.274,-10.4 74.724,-10.4 75.174,-10.4 75.624,-10.4 76.074,-10.4 76.524,-10.4 76.974,-10.4 77.424,-10.4 77.874,-10.4 78.324,-10.4 78.774,-10.4 79.224,-10.4 79.674,-10.4 80.124,-10.4 80.574,-10.4 81.024,-10.4 81.474,-10.4 81.924,-10.4 82.374,-10.4 82.824,-10.4 83.274,-10.4 83.724,-10.4 84.174,-10.4 84.624,-10.4 85.074,-10.4 85.524,-10.4 85.974,-10.4 86.424,-10.4 86.874,-10.4 87.324,-10.4 87.774,-10.4 88.224,-10.4 90.474,-10.4 90.924,-10.4 91.374,-10.4 91.824,-10.4 92.274,-10.4 92.724,-10.4 93.174,-10.4 93.624,-10.4 94.074,-10.4 94.524,-10.4 94.974,-10.4 95.424,-10.4 95.874,-10.4 96.324,-10.4 96.774,-10.4 97.224,-10.4 97.674,-10.4 98.124,-10.4 56.049,-9.95 60.999,-9.95 61.449,-9.95 62.799,-9.95 63.249,-9.95 63.699,-9.95 64.149,-9.95 64.599,-9.95 65.049,-9.95 65.499,-9.95 65.949,-9.95 66.399,-9.95 66.849,-9.95 67.299,-9.95 67.749,-9.95 68.199,-9.95 68.649,-9.95 69.099,-9.95 69.549,-9.95 69.999,-9.95 70.449,-9.95 70.899,-9.95 71.349,-9.95 71.799,-9.95 72.249,-9.95 72.699,-9.95 73.149,-9.95 73.599,-9.95 74.049,-9.95 74.499,-9.95 74.949,-9.95 75.399,-9.95 75.849,-9.95 76.299,-9.95 76.749,-9.95 77.199,-9.95 77.649,-9.95 78.099,-9.95 78.549,-9.95 78.999,-9.95 79.449,-9.95 79.899,-9.95 80.349,-9.95 80.799,-9.95 81.249,-9.95 81.699,-9.95 82.149,-9.95 82.599,-9.95 83.049,-9.95 83.499,-9.95 83.949,-9.95 84.399,-9.95 84.849,-9.95 85.299,-9.95 85.749,-9.95 86.199,-9.95 86.649,-9.95 87.099,-9.95 87.549,-9.95 87.999,-9.95 88.449,-9.95 90.699,-9.95 91.149,-9.95 91.599,-9.95 92.049,-9.95 92.499,-9.95 92.949,-9.95 93.399,-9.95 93.849,-9.95 94.299,-9.95 94.749,-9.95 95.199,-9.95 95.649,-9.95 96.099,-9.95 96.549,-9.95 96.999,-9.95 97.449,-9.95 97.899,-9.95 59.424,-9.5 61.224,-9.5 61.674,-9.5 62.124,-9.5 62.574,-9.5 63.024,-9.5 63.474,-9.5 63.924,-9.5 64.374,-9.5 64.824,-9.5 65.274,-9.5 65.724,-9.5 66.174,-9.5 66.624,-9.5 67.074,-9.5 67.524,-9.5 67.974,-9.5 68.424,-9.5 68.874,-9.5 69.324,-9.5 69.774,-9.5 70.224,-9.5 70.674,-9.5 71.124,-9.5 71.574,-9.5 72.024,-9.5 72.474,-9.5 72.924,-9.5 73.374,-9.5 73.824,-9.5 74.274,-9.5 74.724,-9.5 75.174,-9.5 75.624,-9.5 76.074,-9.5 76.524,-9.5 76.974,-9.5 77.424,-9.5 77.874,-9.5 78.324,-9.5 78.774,-9.5 79.224,-9.5 79.674,-9.5 80.124,-9.5 80.574,-9.5 81.024,-9.5 81.474,-9.5 81.924,-9.5 82.374,-9.5 82.824,-9.5 83.274,-9.5 83.724,-9.5 84.174,-9.5 84.624,-9.5 85.074,-9.5 85.524,-9.5 85.974,-9.5 86.424,-9.5 86.874,-9.5 87.324,-9.5 87.774,-9.5 88.224,-9.5 90.474,-9.5 90.924,-9.5 91.374,-9.5 91.824,-9.5 92.274,-9.5 92.724,-9.5 93.174,-9.5 93.624,-9.5 94.074,-9.5 94.524,-9.5 94.974,-9.5 95.424,-9.5 95.874,-9.5 96.324,-9.5 96.774,-9.5 97.224,-9.5 97.674,-9.5 98.124,-9.5 56.049,-9.05 59.199,-9.05 59.649,-9.05 61.899,-9.05 62.349,-9.05 63.699,-9.05 64.149,-9.05 64.599,-9.05 65.049,-9.05 65.499,-9.05 65.949,-9.05 66.399,-9.05 66.849,-9.05 67.299,-9.05 67.749,-9.05 68.199,-9.05 68.649,-9.05 69.099,-9.05 69.549,-9.05 69.999,-9.05 70.449,-9.05 70.899,-9.05 71.349,-9.05 71.799,-9.05 72.249,-9.05 72.699,-9.05 73.149,-9.05 73.599,-9.05 74.049,-9.05 74.499,-9.05 74.949,-9.05 75.399,-9.05 75.849,-9.05 76.299,-9.05 76.749,-9.05 77.199,-9.05 77.649,-9.05 78.099,-9.05 78.549,-9.05 78.999,-9.05 79.449,-9.05 79.899,-9.05 80.349,-9.05 80.799,-9.05 81.249,-9.05 81.699,-9.05 82.149,-9.05 82.599,-9.05 83.049,-9.05 83.499,-9.05 83.949,-9.05 84.399,-9.05 84.849,-9.05 85.299,-9.05 85.749,-9.05 86.199,-9.05 86.649,-9.05 87.099,-9.05 90.699,-9.05 91.149,-9.05 91.599,-9.05 92.049,-9.05 92.499,-9.05 92.949,-9.05 93.399,-9.05 93.849,-9.05 94.299,-9.05 94.749,-9.05 95.199,-9.05 95.649,-9.05 96.099,-9.05 96.549,-9.05 96.999,-9.05 97.449,-9.05 97.899,-9.05 56.274,-8.6 56.724,-8.6 58.524,-8.6 58.974,-8.6 59.424,-8.6 62.124,-8.6 63.924,-8.6 64.374,-8.6 64.824,-8.6 65.274,-8.6 65.724,-8.6 66.174,-8.6 66.624,-8.6 67.074,-8.6 67.524,-8.6 67.974,-8.6 68.424,-8.6 68.874,-8.6 69.324,-8.6 69.774,-8.6 70.224,-8.6 70.674,-8.6 71.124,-8.6 71.574,-8.6 72.024,-8.6 72.474,-8.6 72.924,-8.6 73.374,-8.6 73.824,-8.6 74.274,-8.6 74.724,-8.6 75.174,-8.6 75.624,-8.6 76.074,-8.6 76.524,-8.6 76.974,-8.6 77.424,-8.6 77.874,-8.6 78.324,-8.6 78.774,-8.6 79.224,-8.6 79.674,-8.6 80.124,-8.6 80.574,-8.6 81.024,-8.6 81.474,-8.6 81.924,-8.6 82.374,-8.6 82.824,-8.6 83.274,-8.6 83.724,-8.6 84.174,-8.6 84.624,-8.6 85.074,-8.6 85.524,-8.6 85.974,-8.6 86.424,-8.6 86.874,-8.6 90.924,-8.6 91.374,-8.6 91.824,-8.6 92.274,-8.6 92.724,-8.6 93.174,-8.6 93.624,-8.6 94.074,-8.6 94.524,-8.6 94.974,-8.6 95.424,-8.6 95.874,-8.6 96.324,-8.6 96.774,-8.6 97.224,-8.6 97.674,-8.6 98.124,-8.6 56.049,-8.15 56.499,-8.15 56.949,-8.15 58.299,-8.15 58.749,-8.15 59.199,-8.15 59.649,-8.15 61.899,-8.15 63.699,-8.15 64.149,-8.15 64.599,-8.15 65.049,-8.15 65.499,-8.15 65.949,-8.15 66.399,-8.15 66.849,-8.15 67.299,-8.15 67.749,-8.15 68.199,-8.15 68.649,-8.15 69.099,-8.15 69.549,-8.15 69.999,-8.15 70.449,-8.15 70.899,-8.15 71.349,-8.15 71.799,-8.15 72.249,-8.15 72.699,-8.15 73.149,-8.15 73.599,-8.15 74.049,-8.15 74.499,-8.15 74.949,-8.15 75.399,-8.15 75.849,-8.15 76.299,-8.15 76.749,-8.15 77.199,-8.15 77.649,-8.15 78.099,-8.15 78.549,-8.15 78.999,-8.15 79.449,-8.15 79.899,-8.15 80.349,-8.15 80.799,-8.15 81.249,-8.15 81.699,-8.15 82.149,-8.15 82.599,-8.15 83.049,-8.15 83.499,-8.15 83.949,-8.15 84.399,-8.15 84.849,-8.15 85.299,-8.15 85.749,-8.15 86.199,-8.15 86.649,-8.15 91.149,-8.15 91.599,-8.15 92.049,-8.15 92.499,-8.15 92.949,-8.15 93.399,-8.15 93.849,-8.15 94.299,-8.15 94.749,-8.15 95.199,-8.15 95.649,-8.15 96.099,-8.15 96.549,-8.15 96.999,-8.15 97.449,-8.15 97.899,-8.15 56.274,-7.7 56.724,-7.7 58.524,-7.7 58.974,-7.7 59.424,-7.7 59.874,-7.7 60.324,-7.7 62.124,-7.7 63.924,-7.7 64.374,-7.7 64.824,-7.7 65.274,-7.7 65.724,-7.7 66.174,-7.7 66.624,-7.7 67.074,-7.7 67.524,-7.7 67.974,-7.7 68.424,-7.7 68.874,-7.7 69.324,-7.7 69.774,-7.7 70.224,-7.7 70.674,-7.7 71.124,-7.7 71.574,-7.7 72.024,-7.7 72.474,-7.7 72.924,-7.7 73.374,-7.7 73.824,-7.7 74.274,-7.7 74.724,-7.7 75.174,-7.7 75.624,-7.7 76.074,-7.7 76.524,-7.7 76.974,-7.7 77.424,-7.7 77.874,-7.7 78.324,-7.7 78.774,-7.7 79.224,-7.7 79.674,-7.7 80.124,-7.7 80.574,-7.7 81.024,-7.7 81.474,-7.7 81.924,-7.7 82.374,-7.7 82.824,-7.7 83.274,-7.7 83.724,-7.7 84.174,-7.7 84.624,-7.7 85.074,-7.7 85.524,-7.7 85.974,-7.7 86.424,-7.7 86.874,-7.7 90.924,-7.7 91.374,-7.7 91.824,-7.7 92.274,-7.7 92.724,-7.7 93.174,-7.7 93.624,-7.7 94.074,-7.7 94.524,-7.7 94.974,-7.7 95.424,-7.7 95.874,-7.7 96.324,-7.7 96.774,-7.7 97.224,-7.7 97.674,-7.7 98.124,-7.7 56.049,-7.25 56.499,-7.25 56.949,-7.25 58.299,-7.25 58.749,-7.25 59.199,-7.25 59.649,-7.25 60.099,-7.25 60.549,-7.25 60.999,-7.25 61.449,-7.25 61.899,-7.25 62.349,-7.25 63.699,-7.25 64.149,-7.25 64.599,-7.25 65.049,-7.25 65.499,-7.25 65.949,-7.25 66.399,-7.25 66.849,-7.25 67.299,-7.25 67.749,-7.25 68.199,-7.25 68.649,-7.25 69.099,-7.25 69.549,-7.25 69.999,-7.25 70.449,-7.25 70.899,-7.25 71.349,-7.25 71.799,-7.25 72.249,-7.25 72.699,-7.25 73.149,-7.25 73.599,-7.25 74.049,-7.25 74.499,-7.25 74.949,-7.25 75.399,-7.25 75.849,-7.25 76.299,-7.25 76.749,-7.25 77.199,-7.25 77.649,-7.25 78.099,-7.25 78.549,-7.25 78.999,-7.25 79.449,-7.25 79.899,-7.25 80.349,-7.25 80.799,-7.25 81.249,-7.25 81.699,-7.25 82.149,-7.25 82.599,-7.25 83.049,-7.25 83.499,-7.25 83.949,-7.25 84.399,-7.25 84.849,-7.25 85.299,-7.25 85.749,-7.25 86.199,-7.25 86.649,-7.25 87.099,-7.25 89.799,-7.25 90.249,-7.25 90.699,-7.25 91.149,-7.25 91.599,-7.25 92.049,-7.25 92.499,-7.25 92.949,-7.25 93.399,-7.25 93.849,-7.25 94.299,-7.25 94.749,-7.25 95.199,-7.25 95.649,-7.25 96.099,-7.25 96.549,-7.25 96.999,-7.25 97.449,-7.25 97.899,-7.25 56.274,-6.8 56.724,-6.8 58.524,-6.8 58.974,-6.8 59.424,-6.8 59.874,-6.8 60.324,-6.8 60.774,-6.8 61.224,-6.8 61.674,-6.8 62.124,-6.8 63.474,-6.8 63.924,-6.8 64.374,-6.8 64.824,-6.8 65.274,-6.8 65.724,-6.8 66.174,-6.8 66.624,-6.8 67.074,-6.8 67.524,-6.8 67.974,-6.8 68.424,-6.8 68.874,-6.8 69.324,-6.8 69.774,-6.8 70.224,-6.8 70.674,-6.8 71.124,-6.8 71.574,-6.8 72.024,-6.8 72.474,-6.8 72.924,-6.8 73.374,-6.8 73.824,-6.8 74.274,-6.8 74.724,-6.8 75.174,-6.8 75.624,-6.8 76.074,-6.8 76.524,-6.8 76.974,-6.8 77.424,-6.8 77.874,-6.8 78.324,-6.8 78.774,-6.8 79.224,-6.8 79.674,-6.8 80.124,-6.8 80.574,-6.8 81.024,-6.8 81.474,-6.8 81.924,-6.8 82.374,-6.8 82.824,-6.8 83.274,-6.8 83.724,-6.8 84.174,-6.8 84.624,-6.8 85.074,-6.8 85.524,-6.8 85.974,-6.8 86.424,-6.8 86.874,-6.8 87.324,-6.8 89.574,-6.8 90.024,-6.8 90.474,-6.8 90.924,-6.8 91.374,-6.8 91.824,-6.8 92.274,-6.8 92.724,-6.8 93.174,-6.8 93.624,-6.8 94.074,-6.8 94.524,-6.8 94.974,-6.8 95.424,-6.8 95.874,-6.8 96.324,-6.8 96.774,-6.8 97.224,-6.8 97.674,-6.8 98.124,-6.8 56.049,-6.35 56.499,-6.35 56.949,-6.35 58.299,-6.35 58.749,-6.35 59.199,-6.35 59.649,-6.35 60.099,-6.35 60.549,-6.35 60.999,-6.35 61.449,-6.35 61.899,-6.35 62.349,-6.35 63.699,-6.35 64.149,-6.35 64.599,-6.35 65.049,-6.35 65.499,-6.35 65.949,-6.35 66.399,-6.35 66.849,-6.35 67.299,-6.35 67.749,-6.35 68.199,-6.35 68.649,-6.35 69.099,-6.35 69.549,-6.35 69.999,-6.35 70.449,-6.35 70.899,-6.35 71.349,-6.35 71.799,-6.35 72.249,-6.35 72.699,-6.35 73.149,-6.35 73.599,-6.35 74.049,-6.35 74.499,-6.35 74.949,-6.35 75.399,-6.35 75.849,-6.35 76.299,-6.35 76.749,-6.35 77.199,-6.35 77.649,-6.35 78.099,-6.35 78.549,-6.35 78.999,-6.35 79.449,-6.35 79.899,-6.35 80.349,-6.35 80.799,-6.35 81.249,-6.35 81.699,-6.35 82.149,-6.35 82.599,-6.35 83.049,-6.35 83.499,-6.35 83.949,-6.35 84.399,-6.35 84.849,-6.35 85.299,-6.35 85.749,-6.35 86.199,-6.35 86.649,-6.35 87.099,-6.35 89.799,-6.35 90.249,-6.35 90.699,-6.35 91.149,-6.35 91.599,-6.35 92.049,-6.35 92.499,-6.35 92.949,-6.35 93.399,-6.35 93.849,-6.35 94.299,-6.35 94.749,-6.35 95.199,-6.35 95.649,-6.35 96.099,-6.35 96.549,-6.35 96.999,-6.35 97.449,-6.35 97.899,-6.35 56.274,-5.9 59.424,-5.9 59.874,-5.9 60.324,-5.9 60.774,-5.9 61.224,-5.9 61.674,-5.9 62.124,-5.9 63.474,-5.9 63.924,-5.9 64.374,-5.9 64.824,-5.9 65.274,-5.9 65.724,-5.9 66.174,-5.9 66.624,-5.9 67.074,-5.9 67.524,-5.9 67.974,-5.9 68.424,-5.9 68.874,-5.9 69.324,-5.9 69.774,-5.9 70.224,-5.9 70.674,-5.9 71.124,-5.9 71.574,-5.9 72.024,-5.9 72.474,-5.9 72.924,-5.9 73.374,-5.9 73.824,-5.9 74.274,-5.9 74.724,-5.9 75.174,-5.9 75.624,-5.9 76.074,-5.9 76.524,-5.9 76.974,-5.9 77.424,-5.9 77.874,-5.9 78.324,-5.9 78.774,-5.9 79.224,-5.9 79.674,-5.9 80.124,-5.9 80.574,-5.9 81.024,-5.9 81.474,-5.9 81.924,-5.9 82.374,-5.9 82.824,-5.9 83.274,-5.9 83.724,-5.9 84.174,-5.9 84.624,-5.9 85.074,-5.9 85.524,-5.9 85.974,-5.9 86.424,-5.9 86.874,-5.9 89.574,-5.9 90.024,-5.9 90.474,-5.9 90.924,-5.9 91.374,-5.9 91.824,-5.9 92.274,-5.9 92.724,-5.9 93.174,-5.9 93.624,-5.9 94.074,-5.9 94.524,-5.9 94.974,-5.9 95.424,-5.9 95.874,-5.9 96.324,-5.9 96.774,-5.9 97.224,-5.9 97.674,-5.9 98.124,-5.9 56.049,-5.45 59.199,-5.45 59.649,-5.45 60.099,-5.45 60.549,-5.45 60.999,-5.45 61.449,-5.45 61.899,-5.45 62.349,-5.45 63.699,-5.45 64.149,-5.45 64.599,-5.45 65.049,-5.45 65.499,-5.45 65.949,-5.45 66.399,-5.45 66.849,-5.45 67.299,-5.45 67.749,-5.45 68.199,-5.45 68.649,-5.45 69.099,-5.45 69.549,-5.45 69.999,-5.45 70.449,-5.45 70.899,-5.45 71.349,-5.45 71.799,-5.45 72.249,-5.45 72.699,-5.45 73.149,-5.45 73.599,-5.45 74.049,-5.45 74.499,-5.45 74.949,-5.45 75.399,-5.45 75.849,-5.45 76.299,-5.45 76.749,-5.45 77.199,-5.45 77.649,-5.45 78.099,-5.45 78.549,-5.45 78.999,-5.45 79.449,-5.45 79.899,-5.45 80.349,-5.45 80.799,-5.45 81.249,-5.45 81.699,-5.45 82.149,-5.45 82.599,-5.45 83.049,-5.45 83.499,-5.45 83.949,-5.45 84.399,-5.45 84.849,-5.45 85.299,-5.45 85.749,-5.45 86.199,-5.45 88.449,-5.45 89.799,-5.45 90.249,-5.45 90.699,-5.45 91.149,-5.45 91.599,-5.45 92.049,-5.45 92.499,-5.45 92.949,-5.45 93.399,-5.45 93.849,-5.45 94.299,-5.45 94.749,-5.45 95.199,-5.45 95.649,-5.45 96.099,-5.45 96.549,-5.45 96.999,-5.45 97.449,-5.45 97.899,-5.45 59.424,-5 59.874,-5 60.324,-5 60.774,-5 61.224,-5 61.674,-5 62.124,-5 63.474,-5 63.924,-5 64.374,-5 64.824,-5 65.274,-5 65.724,-5 66.174,-5 66.624,-5 67.074,-5 67.524,-5 67.974,-5 68.424,-5 68.874,-5 69.324,-5 69.774,-5 70.224,-5 70.674,-5 71.124,-5 71.574,-5 72.024,-5 72.474,-5 72.924,-5 73.374,-5 73.824,-5 74.274,-5 74.724,-5 75.174,-5 75.624,-5 76.074,-5 76.524,-5 76.974,-5 77.424,-5 77.874,-5 78.324,-5 78.774,-5 79.224,-5 79.674,-5 80.124,-5 80.574,-5 81.024,-5 81.474,-5 81.924,-5 82.374,-5 82.824,-5 83.274,-5 83.724,-5 84.174,-5 84.624,-5 85.074,-5 85.524,-5 85.974,-5 87.324,-5 89.574,-5 90.024,-5 90.474,-5 90.924,-5 91.374,-5 91.824,-5 92.274,-5 92.724,-5 93.174,-5 93.624,-5 94.074,-5 94.524,-5 94.974,-5 95.424,-5 95.874,-5 96.324,-5 96.774,-5 97.224,-5 97.674,-5 98.124,-5 56.049,-4.55 59.199,-4.55 59.649,-4.55 60.099,-4.55 60.549,-4.55 60.999,-4.55 61.449,-4.55 61.899,-4.55 62.349,-4.55 63.699,-4.55 64.149,-4.55 64.599,-4.55 65.049,-4.55 65.499,-4.55 65.949,-4.55 66.399,-4.55 66.849,-4.55 67.299,-4.55 67.749,-4.55 68.199,-4.55 68.649,-4.55 69.099,-4.55 69.549,-4.55 69.999,-4.55 70.449,-4.55 70.899,-4.55 71.349,-4.55 71.799,-4.55 72.249,-4.55 72.699,-4.55 73.149,-4.55 73.599,-4.55 74.049,-4.55 74.499,-4.55 74.949,-4.55 75.399,-4.55 75.849,-4.55 76.299,-4.55 76.749,-4.55 77.199,-4.55 77.649,-4.55 78.099,-4.55 78.549,-4.55 78.999,-4.55 79.449,-4.55 79.899,-4.55 80.349,-4.55 80.799,-4.55 81.249,-4.55 81.699,-4.55 82.149,-4.55 82.599,-4.55 83.049,-4.55 83.499,-4.55 83.949,-4.55 84.399,-4.55 84.849,-4.55 85.299,-4.55 87.099,-4.55 88.449,-4.55 89.799,-4.55 90.249,-4.55 90.699,-4.55 91.149,-4.55 91.599,-4.55 92.049,-4.55 92.499,-4.55 92.949,-4.55 93.399,-4.55 93.849,-4.55 94.299,-4.55 94.749,-4.55 95.199,-4.55 95.649,-4.55 96.099,-4.55 96.549,-4.55 96.999,-4.55 97.449,-4.55 97.899,-4.55 56.274,-4.1 56.724,-4.1 57.174,-4.1 57.624,-4.1 59.424,-4.1 59.874,-4.1 60.324,-4.1 60.774,-4.1 61.224,-4.1 61.674,-4.1 62.124,-4.1 63.474,-4.1 63.924,-4.1 64.374,-4.1 64.824,-4.1 65.274,-4.1 65.724,-4.1 66.174,-4.1 66.624,-4.1 67.074,-4.1 67.524,-4.1 67.974,-4.1 68.424,-4.1 68.874,-4.1 69.324,-4.1 69.774,-4.1 86.424,-4.1 86.874,-4.1 87.324,-4.1 89.574,-4.1 90.024,-4.1 90.474,-4.1 90.924,-4.1 91.374,-4.1 91.824,-4.1 92.274,-4.1 92.724,-4.1 93.174,-4.1 93.624,-4.1 94.074,-4.1 94.524,-4.1 94.974,-4.1 95.424,-4.1 95.874,-4.1 96.324,-4.1 96.774,-4.1 97.224,-4.1 97.674,-4.1 98.124,-4.1